# Altium PCB spin5v1_simple.PcbDoc (part 2 of 25)
Units mm, origin at the board's own origin, x right, y up, seen from the top; angles counter-clockwise.
Board outline 220.03 x 233.43 mm, 2 copper layers (TOP, BOTTOM), stack 0.176 mm thick; 1457 components, 4724 nets, 19245 pads, 25289 vias.
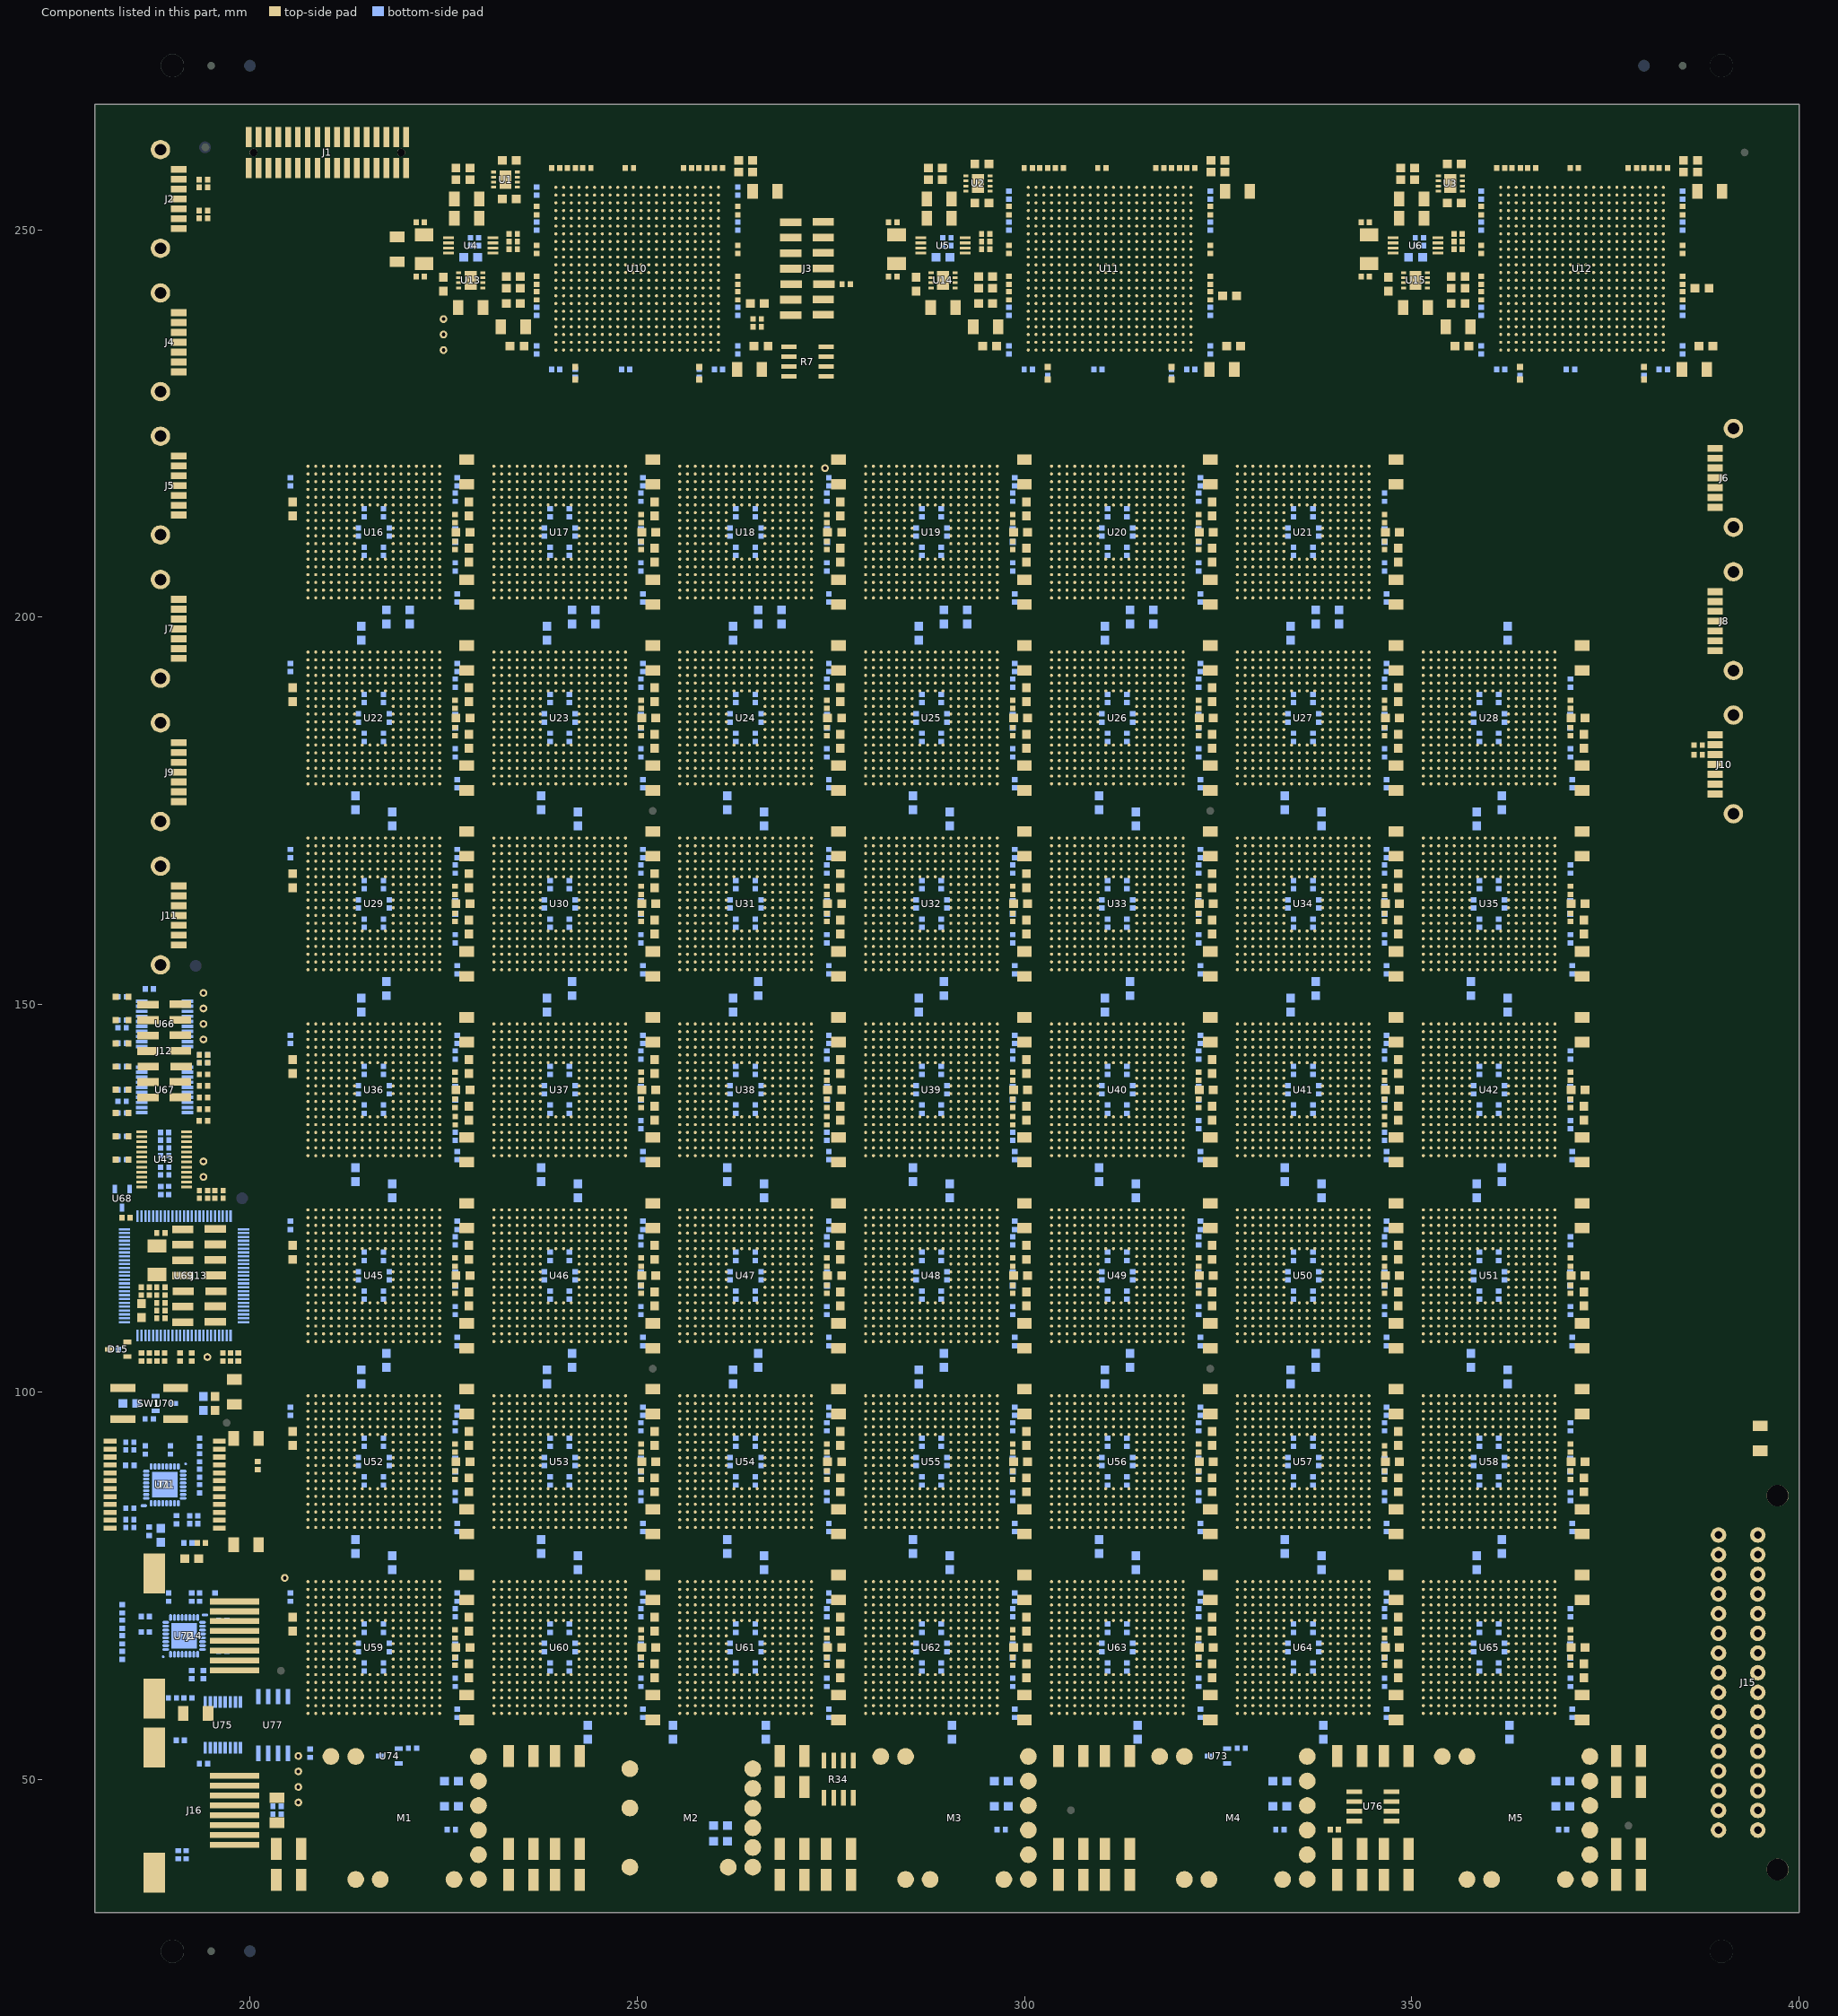
[diagram p2: the components of this part, seen from the top]

## Components (designator, comment, footprint, x,y, rotation, side; value= is the part's Value field where it differs from the comment) (continued)
C947 "CAP_0402" CAP_0402 189.5,73.5 r270 bottom
C948 "CAP_0402_VS" CAP_0402_VS 361.25,69.5 r90 bottom
C949 "CAP_0402_VS" CAP_0402_VS 358.75,69.5 r270 bottom
C950 "CAP_0402_VS" CAP_0402_VS 337.25,69.5 r90 bottom
C951 "CAP_0402_VS" CAP_0402_VS 334.75,69.5 r270 bottom
C952 "CAP_0402_VS" CAP_0402_VS 313.25,69.5 r90 bottom
C953 "CAP_0402_VS" CAP_0402_VS 310.75,69.5 r270 bottom
C954 "CAP_0402_VS" CAP_0402_VS 289.25,69.5 r90 bottom
C955 "CAP_0402_VS" CAP_0402_VS 286.75,69.5 r270 bottom
C956 "CAP_0402_VS" CAP_0402_VS 265.25,69.5 r90 bottom
C957 "CAP_0402_VS" CAP_0402_VS 262.75,69.5 r270 bottom
C958 "CAP_0402_VS" CAP_0402_VS 241.25,69.5 r90 bottom
C959 "CAP_0402_VS" CAP_0402_VS 238.75,69.5 r270 bottom
C960 "CAP_0402_VS" CAP_0402_VS 217.25,69.5 r90 bottom
C961 "CAP_0402_VS" CAP_0402_VS 214.75,69.5 r270 bottom
C962 "CAP_0402" CAP_0402 186.5,69 r0 bottom
C963 "CAP_0402_VS" CAP_0402_VS 362,67 r270 bottom
C964 "CAP_0402_VS" CAP_0402_VS 358,67 r90 bottom
C965 "CAP_0402_VS" CAP_0402_VS 338,67 r270 bottom
C966 "CAP_0402_VS" CAP_0402_VS 334,67 r90 bottom
C967 "CAP_0402_VS" CAP_0402_VS 314,67 r270 bottom
C968 "CAP_0402_VS" CAP_0402_VS 310,67 r90 bottom
C969 "CAP_0402_VS" CAP_0402_VS 290,67 r270 bottom
C970 "CAP_0402_VS" CAP_0402_VS 286,67 r90 bottom
C971 "CAP_0402_VS" CAP_0402_VS 266,67 r270 bottom
C972 "CAP_0402_VS" CAP_0402_VS 262,67 r90 bottom
C973 "CAP_0402_VS" CAP_0402_VS 242,67 r270 bottom
C974 "CAP_0402_VS" CAP_0402_VS 238,67 r90 bottom
C975 "CAP_0402_VS" CAP_0402_VS 218,67 r270 bottom
C976 "CAP_0402_VS" CAP_0402_VS 214,67 r90 bottom
C977 "CAP_0402_VS" CAP_0402_VS 361.25,64.5 r90 bottom
C978 "CAP_0402_VS" CAP_0402_VS 358.75,64.5 r270 bottom
C979 "CAP_0402_VS" CAP_0402_VS 337.25,64.5 r90 bottom
C980 "CAP_0402_VS" CAP_0402_VS 334.75,64.5 r270 bottom
C981 "CAP_0402_VS" CAP_0402_VS 313.25,64.5 r90 bottom
C982 "CAP_0402_VS" CAP_0402_VS 310.75,64.5 r270 bottom
C983 "CAP_0402_VS" CAP_0402_VS 289.25,64.5 r90 bottom
C984 "CAP_0402_VS" CAP_0402_VS 286.75,64.5 r270 bottom
C985 "CAP_0402_VS" CAP_0402_VS 265.25,64.5 r90 bottom
C986 "CAP_0402_VS" CAP_0402_VS 262.75,64.5 r270 bottom
C987 "CAP_0402_VS" CAP_0402_VS 241.25,64.5 r90 bottom
C988 "CAP_0402_VS" CAP_0402_VS 238.75,64.5 r270 bottom
C989 "CAP_0402_VS" CAP_0402_VS 217.25,64.5 r90 bottom
C990 "CAP_0402_VS" CAP_0402_VS 214.75,64.5 r270 bottom
C991 "CAP_0402" CAP_0402 194,63.5 r90 bottom
C993 "CAP_0402_VS" CAP_0402_VS 370.75,58.5 r270 bottom
C994 "CAP_0402_VS" CAP_0402_VS 346.75,58.5 r270 bottom
C995 "CAP_0402_VS" CAP_0402_VS 322.75,58.5 r270 bottom
C996 "CAP_0402_VS" CAP_0402_VS 298.75,58.5 r270 bottom
C997 "CAP_0402_VS" CAP_0402_VS 274.75,58.5 r270 bottom
C998 "CAP_0402_VS" CAP_0402_VS 250.75,58.5 r270 bottom
C999 "CAP_0402_VS" CAP_0402_VS 226.75,58.5 r270 bottom
C1000 "CAP_0603_VL" CAP_0603_VL 362.812,55.525 r90 bottom
C1001 "CAP_0603_VL" CAP_0603_VL 338.812,55.525 r90 bottom
C1002 "CAP_0603_VL" CAP_0603_VL 314.812,55.525 r90 bottom
C1003 "CAP_0603_VL" CAP_0603_VL 290.812,55.525 r90 bottom
C1004 "CAP_0603_VL" CAP_0603_VL 266.812,55.525 r90 bottom
C1005 "CAP_0603_VL" CAP_0603_VL 254.812,55.525 r90 bottom
C1006 "CAP_0603_VL" CAP_0603_VL 243.812,55.525 r90 bottom
C1007 "CAP_0402" CAP_0402 340,43.5 r0 top
C1008 "CAP_0402" CAP_0402 191,55 r0 bottom
C1009 "CAP_0402" CAP_0402 207.781,53.347 r90 bottom
C1011 "CAP_1210VL" CAP_1210VL 205,40.955 r180 top
C1012 "CAP_1210VL" CAP_1210VL 241,53.045 r0 top
C1013 "CAP_1210VL" CAP_1210VL 235,37.045 r0 top
C1014 "CAP_1210VL" CAP_1210VL 241,36.955 r180 top
C1015 "CAP_1210VL" CAP_1210VL 270,49.045 r0 top
C1016 "CAP_1210VL" CAP_1210VL 270,37.045 r0 top
C1017 "CAP_1210VL" CAP_1210VL 276,36.955 r180 top
C1018 "CAP_1210VL" CAP_1210VL 312,53.045 r0 top
C1019 "CAP_1210VL" CAP_1210VL 306,37.045 r0 top
C1020 "CAP_1210VL" CAP_1210VL 312,36.955 r180 top
C1021 "CAP_1210VL" CAP_1210VL 348,53.045 r0 top
C1022 "CAP_1210VL" CAP_1210VL 342,37.045 r0 top
C1023 "CAP_1210VL" CAP_1210VL 348,36.955 r180 top
C1024 "CAP_1210VL" CAP_1210VL 378,49.045 r0 top
C1025 "CAP_1210VL" CAP_1210VL 378,37.045 r0 top
D1 "LED_0603" 0603_LED 242,231.728 r270 top
D2 "LED_0603" 0603_LED 258,231.728 r270 top
D3 "LED_0603" 0603_LED 303,231.728 r270 top
D4 "LED_0603" 0603_LED 319,231.728 r270 top
D5 "LED_0603" 0603_LED 364,231.728 r270 top
D6 "LED_0603" 0603_LED 380,231.728 r270 top
D7 "LED_0603" 0603_LED 183.272,151 r0 top
D8 "LED_0603" 0603_LED 183.272,148 r0 top
D9 "LED_0603" 0603_LED 183.272,145 r0 top
D10 "LED_0603" 0603_LED 183.272,142 r0 top
D11 "LED_0603" 0603_LED 183.272,139 r0 top
D12 "LED_0603" 0603_LED 183.272,136 r0 top
D13 "LED_0603" 0603_LED 183.272,133 r0 top
D14 "LED_0603" 0603_LED 183.272,130 r0 top
D15 "DIODE_SM" SOT23#1 183,105.268 r180 top
D16 "LED_0603" 0603_LED 346.5,210.772 r270 bottom
D17 "LED_0603" 0603_LED 322.5,210.772 r270 bottom
D18 "LED_0603" 0603_LED 298.5,210.772 r270 bottom
D19 "LED_0603" 0603_LED 274.5,210.772 r270 bottom
D20 "LED_0603" 0603_LED 250.5,210.772 r270 bottom
D21 "LED_0603" 0603_LED 226.5,210.772 r270 bottom
D22 "LED_0603" 0603_LED 370.5,186.772 r270 bottom
D23 "LED_0603" 0603_LED 346.5,186.772 r270 bottom
D24 "LED_0603" 0603_LED 322.5,186.772 r270 bottom
D25 "LED_0603" 0603_LED 298.5,186.772 r270 bottom
D26 "LED_0603" 0603_LED 274.5,186.772 r270 bottom
D27 "LED_0603" 0603_LED 250.5,186.772 r270 bottom
D28 "LED_0603" 0603_LED 226.5,186.772 r270 bottom
D29 "LED_0603" 0603_LED 370.5,162.772 r270 bottom
D30 "LED_0603" 0603_LED 346.5,162.772 r270 bottom
D31 "LED_0603" 0603_LED 322.5,162.772 r270 bottom
D32 "LED_0603" 0603_LED 298.5,162.772 r270 bottom
D33 "LED_0603" 0603_LED 274.5,162.772 r270 bottom
D34 "LED_0603" 0603_LED 250.5,162.772 r270 bottom
D35 "LED_0603" 0603_LED 226.5,162.772 r270 bottom
D36 "LED_0603" 0603_LED 370.5,138.772 r270 bottom
D37 "LED_0603" 0603_LED 346.5,138.772 r270 bottom
D38 "LED_0603" 0603_LED 322.5,138.772 r270 bottom
D39 "LED_0603" 0603_LED 298.5,138.772 r270 bottom
D40 "LED_0603" 0603_LED 274.5,138.772 r270 bottom
D41 "LED_0603" 0603_LED 250.5,138.772 r270 bottom
D42 "LED_0603" 0603_LED 226.5,138.772 r270 bottom
D43 "LED_0603" 0603_LED 370.5,114.772 r270 bottom
D44 "LED_0603" 0603_LED 346.5,114.772 r270 bottom
D45 "LED_0603" 0603_LED 322.5,114.772 r270 bottom
D46 "LED_0603" 0603_LED 298.5,114.772 r270 bottom
D47 "LED_0603" 0603_LED 274.5,114.772 r270 bottom
D48 "LED_0603" 0603_LED 250.5,114.772 r270 bottom
D49 "LED_0603" 0603_LED 226.5,114.772 r270 bottom
D50 "LED_0603" 0603_LED 370.5,90.772 r270 bottom
D51 "LED_0603" 0603_LED 346.5,90.772 r270 bottom
D52 "LED_0603" 0603_LED 322.5,90.772 r270 bottom
D53 "LED_0603" 0603_LED 298.5,90.772 r270 bottom
D54 "LED_0603" 0603_LED 274.5,90.772 r270 bottom
D55 "LED_0603" 0603_LED 250.5,90.772 r270 bottom
D56 "LED_0603" 0603_LED 226.5,90.772 r270 bottom
D57 "LED_0603" 0603_LED 370.5,66.772 r270 bottom
D58 "LED_0603" 0603_LED 346.5,66.772 r270 bottom
D59 "LED_0603" 0603_LED 322.5,66.772 r270 bottom
D60 "LED_0603" 0603_LED 298.5,66.772 r270 bottom
D61 "LED_0603" 0603_LED 274.5,66.772 r270 bottom
D62 "LED_0603" 0603_LED 250.5,66.772 r270 bottom
D63 "LED_0603" 0603_LED 226.5,66.772 r270 bottom
Designator1 "CAP_1206" CAP_1206 350,251.49 r180 top
Designator1 "CAP_1206" CAP_1206 388.5,255.01 r0 top
Designator1 "CAP_1206" CAP_1206 386.5,232.01 r0 top
Designator1 "CAP_1206" CAP_1206 356,237.49 r180 top
Designator1 "CAP_1206" CAP_1206 350,253.99 r180 top
Designator1 "CAP_1206" CAP_1206 350.5,239.99 r180 top
Designator1 "CAP_1206" CAP_1206 264.5,232.01 r0 top
Designator1 "CAP_1206" CAP_1206 234,237.49 r180 top
Designator1 "CAP_1206" CAP_1206 266.5,255.01 r0 top
Designator1 "CAP_1206" CAP_1206 228,253.99 r180 top
Designator1 "CAP_1206" CAP_1206 228.5,239.99 r180 top
Designator1 "CAP_1206" CAP_1206 228,251.49 r180 top
Designator1 "CAP_1206" CAP_1206 289.5,239.99 r180 top
Designator1 "CAP_1206" CAP_1206 289,251.49 r180 top
Designator1 "CAP_1206" CAP_1206 325.5,232.01 r0 top
Designator1 "CAP_1206" CAP_1206 295,237.49 r180 top
Designator1 "CAP_1206" CAP_1206 327.5,255.01 r0 top
Designator1 "CAP_1206" CAP_1206 289,253.99 r180 top
Designator1 "CAP_1206" CAP_1206 199.5,80.26 r0 top
Designator1 "CAP_1206" CAP_1206 199.5,94.01 r0 top
Designator1 "CAP_1206" CAP_1206 203.51,46 r270 top
Designator1 "CAP_1206" CAP_1206 193,58.49 r180 top
FB1 "FB_0603" FB_0603 227.5,211 r180 top
FB2 "FB_0603" FB_0603 251.5,211 r180 top
FB3 "FB_0603" FB_0603 275.5,211 r180 top
FB4 "FB_0603" FB_0603 299.5,211 r180 top
FB5 "FB_0603" FB_0603 323.5,211 r180 top
FB6 "FB_0603" FB_0603 347.5,211 r180 top
FB7 "FB_0603" FB_0603 227.5,187 r180 top
FB8 "FB_0603" FB_0603 251.5,187 r180 top
FB9 "FB_0603" FB_0603 275.5,187 r180 top
FB10 "FB_0603" FB_0603 299.5,187 r180 top
FB11 "FB_0603" FB_0603 323.5,187 r180 top
FB12 "FB_0603" FB_0603 347.5,187 r180 top
FB13 "FB_0603" FB_0603 371.5,187 r180 top
FB14 "FB_0603" FB_0603 227.5,163 r180 top
FB15 "FB_0603" FB_0603 251.5,163 r180 top
FB16 "FB_0603" FB_0603 275.5,163 r180 top
FB17 "FB_0603" FB_0603 299.5,163 r180 top
FB18 "FB_0603" FB_0603 323.5,163 r180 top
FB19 "FB_0603" FB_0603 347.5,163 r180 top
FB20 "FB_0603" FB_0603 371.5,163 r180 top
FB21 "FB_0603" FB_0603 227.5,139 r180 top
FB22 "FB_0603" FB_0603 251.5,139 r180 top
FB23 "FB_0603" FB_0603 275.5,139 r180 top
FB24 "FB_0603" FB_0603 299.5,139 r180 top
FB25 "FB_0603" FB_0603 323.5,139 r180 top
FB26 "FB_0603" FB_0603 347.5,139 r180 top
FB27 "FB_0603" FB_0603 371.5,139 r180 top
FB28 "FB_0603" FB_0603 227.5,115 r180 top
FB29 "FB_0603" FB_0603 251.5,115 r180 top
FB30 "FB_0603" FB_0603 275.5,115 r180 top
FB31 "FB_0603" FB_0603 299.5,115 r180 top
FB32 "FB_0603" FB_0603 323.5,115 r180 top
FB33 "FB_0603" FB_0603 347.5,115 r180 top
FB34 "FB_0603" FB_0603 371.5,115 r180 top
FB35 "FB_0603" FB_0603 186,110.5 r90 top
FB36 "FB_0603" FB_0603 227.5,91 r180 top
FB37 "FB_0603" FB_0603 251.5,91 r180 top
FB38 "FB_0603" FB_0603 275.5,91 r180 top
FB39 "FB_0603" FB_0603 299.5,91 r180 top
FB40 "FB_0603" FB_0603 323.5,91 r180 top
FB41 "FB_0603" FB_0603 347.5,91 r180 top
FB42 "FB_0603" FB_0603 371.5,91 r180 top
FB43 "FB_0603" FB_0603 227.5,67 r180 top
FB44 "FB_0603" FB_0603 251.5,67 r180 top
FB45 "FB_0603" FB_0603 275.5,67 r180 top
FB46 "FB_0603" FB_0603 299.5,67 r180 top
FB47 "FB_0603" FB_0603 323.5,67 r180 top
FB48 "FB_0603" FB_0603 347.5,67 r180 top
FB49 "FB_0603" FB_0603 371.5,67 r180 top
J1 "C42_34_SM" C42_34_SM 210.25,260 r270 top
J2 "SATA_PLUG" SATA_PLUG 186,254.5 r180 top
J3 "14_WAY_HEADER_SM" HEADER2MM_SM 271.982,245 r180 top
J4 "SATA_PLUG" SATA_PLUG 186,236 r180 top
J5 "SATA_PLUG" SATA_PLUG 186,217.5 r180 top
J6 "SATA_PLUG" SATA_PLUG 394,217.5 r0 top
J7 "SATA_PLUG" SATA_PLUG 186,199 r180 top
J8 "SATA_PLUG" SATA_PLUG 394,199 r0 top
J9 "SATA_PLUG" SATA_PLUG 186,180.5 r180 top
J10 "SATA_PLUG" SATA_PLUG 394,180.5 r0 top
J11 "SATA_PLUG" SATA_PLUG 186,162 r180 top
J12 "14WAYHEADERSM" HEADER2MM_SM 188.982,144 r180 top
J13 "14WAYHEADERSM" HEADER2MM_SM 193.482,115 r180 top
J14 "RJ45_SMT" RJ45_SMT 190.69,68.5 r270 top
J15 "DIN41612" DIN41612_32 393.01,62.48 r0 top
J16 "RJ45_SMT" RJ45_SMT 190.69,46 r270 top
M1 "PTH08T221W" R_PDSS_B11_E 220,45 r0 top
M2 "PTH08T230W" R_PDSS_B10_E 257,45 r0 top
M3 "PTH08T221W" R_PDSS_B11_E 291,45 r0 top
M4 "PTH08T221W" R_PDSS_B11_E 327,45 r0 top
M5 "PTH08T221W" R_PDSS_B11_E 363.5,45 r0 top
R1 "RES_0402" RES_0402 249,258 r0 top
R2 "RES_0402" RES_0402 310,258 r0 top
R3 "RES_0402" RES_0402 371,258 r0 top
R4 "RES_0402" RES_0402 277,243 r180 top
R5 "RES_0402" RES_0402 265.5,238.5 r0 top
R6 "RES_0402" RES_0402 265.5,237.5 r0 top
R7 "LM75B" SOIC8 272.056,232.794 r180 top
R8 "RES_0402" RES_0402 194,143.5 r180 top
R9 "RES_0402" RES_0402 194,142.5 r180 top
R10 "RES_0402" RES_0402 194,141 r0 top
R11 "RES_0402" RES_0402 194,139.5 r0 top
R12 "RES_0402" RES_0402 194,138 r0 top
R13 "RES_0402" RES_0402 194,136.5 r180 top
R14 "RES_0402" RES_0402 226.5,135 r270 top
R15 "RES_0402" RES_0402 274.5,135 r270 top
R16 "RES_0402" RES_0402 298.5,135 r270 top
R17 "RES_0402" RES_0402 346.5,135 r270 top
R18 "RES_0402" RES_0402 194,126 r180 top
R19 "RES_0402" RES_0402 196,126 r0 top
R20 "RES_0402" RES_0402 194,125 r180 top
R21 "RES_0402" RES_0402 196,125 r0 top
R22 "RES_0402" RES_0402 186.5,112.5 r180 top
R23 "RES_0402" RES_0402 188.5,112.5 r180 top
R24 "RES_0402" RES_0402 188.5,109.5 r0 top
R25 "RES_0402" RES_0402 186,104.5 r90 top
R26 "RES_0402" RES_0402 187,104.5 r270 top
R27 "RES_0402" RES_0402 188,104.5 r270 top
R28 "RES_0402" RES_0402 189,104.5 r90 top
R29 "RES_0402" RES_0402 192.5,104.5 r270 top
R30 "RES_0402" RES_0402 196.5,104.5 r90 top
R31 "RES_0402" RES_0402 197.5,104.5 r90 top
R32 "RES_0402" RES_0402 194,142.5 r180 bottom
R33 "RES_0402" RES_0402 194,143.5 r180 bottom
R34 "LM75B" SOIC8 275.794,49.944 r90 top
R35 "RES_0402" RES_0402 203.5,46.5 r0 bottom
R36 "RES_0402" RES_0402 203.5,45.5 r0 bottom
R37 "RES_0402" RES_0402 351,249 r0 bottom
R38 "RES_0402" RES_0402 290,249 r0 bottom
R39 "RES_0402" RES_0402 229,249 r0 bottom
R40 "RES_0402" RES_0402 380,231.75 r90 bottom
R41 "RES_0402" RES_0402 364,231.75 r90 bottom
R42 "RES_0402" RES_0402 303,231.75 r90 bottom
R43 "RES_0402" RES_0402 319,231.5 r90 bottom
R44 "RES_0402" RES_0402 258,231.5 r270 bottom
R45 "RES_0402" RES_0402 242,231.5 r90 bottom
R46 "RES_0402" RES_0402 346.5,215.5 r270 bottom
R47 "RES_0402" RES_0402 322.5,215.5 r270 bottom
R48 "RES_0402" RES_0402 298.5,215.5 r270 bottom
R49 "RES_0402" RES_0402 274.5,215.5 r270 bottom
R50 "RES_0402" RES_0402 250.5,215.5 r270 bottom
R51 "RES_0402" RES_0402 226.5,215.5 r270 bottom
R52 "RES_0402" RES_0402 346.5,206.5 r270 bottom
R53 "RES_0402" RES_0402 322.5,206.5 r270 bottom
R54 "RES_0402" RES_0402 298.5,206.5 r270 bottom
R55 "RES_0402" RES_0402 274.5,206.5 r270 bottom
R56 "RES_0402" RES_0402 250.5,206.5 r270 bottom
R57 "RES_0402" RES_0402 226.5,206.5 r270 bottom
R58 "RES_0402" RES_0402 370.5,191.5 r270 bottom
R59 "RES_0402" RES_0402 346.5,191.5 r270 bottom
R60 "RES_0402" RES_0402 322.5,191.5 r270 bottom
R61 "RES_0402" RES_0402 298.5,191.5 r270 bottom
R62 "RES_0402" RES_0402 274.5,191.5 r270 bottom
R63 "RES_0402" RES_0402 250.5,191.5 r270 bottom
R64 "RES_0402" RES_0402 226.5,191.5 r270 bottom
R65 "RES_0402" RES_0402 370.5,182.5 r270 bottom
R66 "RES_0402" RES_0402 346.5,182.5 r270 bottom
R67 "RES_0402" RES_0402 322.5,182.5 r270 bottom
R68 "RES_0402" RES_0402 298.5,182.5 r270 bottom
R69 "RES_0402" RES_0402 274.5,182.5 r270 bottom
R70 "RES_0402" RES_0402 250.5,182.5 r270 bottom
R71 "RES_0402" RES_0402 226.5,182.5 r270 bottom
R72 "RES_0402" RES_0402 370.5,167.5 r270 bottom
R73 "RES_0402" RES_0402 346.5,167.5 r270 bottom
R74 "RES_0402" RES_0402 322.5,167.5 r270 bottom
R75 "RES_0402" RES_0402 298.5,167.5 r270 bottom
R76 "RES_0402" RES_0402 274.5,167.5 r270 bottom
R77 "RES_0402" RES_0402 250.5,167.5 r270 bottom
R78 "RES_0402" RES_0402 226.5,167.5 r270 bottom
R79 "RES_0402" RES_0402 370.5,158.5 r270 bottom
R80 "RES_0402" RES_0402 346.5,158.5 r270 bottom
R81 "RES_0402" RES_0402 322.5,158.5 r270 bottom
R82 "RES_0402" RES_0402 298.5,158.5 r270 bottom
R83 "RES_0402" RES_0402 274.5,158.5 r270 bottom
R84 "RES_0402" RES_0402 250.5,158.5 r270 bottom
R85 "RES_0402" RES_0402 226.5,158.5 r270 bottom
R86 "RES_0402" RES_0402 183.5,151 r0 bottom
R87 "RES_0402" RES_0402 183.5,148 r0 bottom
R88 "RES_0402" RES_0402 183.5,147 r0 bottom
R89 "RES_0402" RES_0402 183.5,145 r0 bottom
R90 "RES_0402" RES_0402 370.5,143.5 r270 bottom
R91 "RES_0402" RES_0402 346.5,143.5 r270 bottom
R92 "RES_0402" RES_0402 322.5,143.5 r270 bottom
R93 "RES_0402" RES_0402 298.5,143.5 r270 bottom
R94 "RES_0402" RES_0402 274.5,143.5 r270 bottom
R95 "RES_0402" RES_0402 250.5,143.5 r270 bottom
R96 "RES_0402" RES_0402 226.5,143.5 r270 bottom
R97 "RES_0402" RES_0402 183.5,142 r0 bottom
R98 "RES_0402" RES_0402 183.5,139 r0 bottom
R99 "RES_0402" RES_0402 183.5,137.5 r0 bottom
R100 "RES_0402" RES_0402 183.5,136 r0 bottom
R101 "RES_0402" RES_0402 370.5,134.5 r270 bottom
R102 "RES_0402" RES_0402 322.5,134.5 r270 bottom
R103 "RES_0402" RES_0402 250.5,134.5 r270 bottom
R104 "RES_0402" RES_0402 346.5,133 r270 bottom
R105 "RES_0402" RES_0402 298.5,133 r270 bottom
R106 "RES_0402" RES_0402 274.5,133 r270 bottom
R107 "RES_0402" RES_0402 226.5,133 r270 bottom
R108 "RES_0402" RES_0402 183.5,133 r0 bottom
R109 "RES_0402" RES_0402 189,132.5 r180 bottom
R110 "RES_0402" RES_0402 189,131.5 r180 bottom
R111 "RES_0402" RES_0402 189,130.5 r180 bottom
R112 "RES_0402" RES_0402 183.5,130 r0 bottom
R113 "RES_0402" RES_0402 189,129 r180 bottom
R114 "RES_0402" RES_0402 189,128 r180 bottom
R115 "RES_0402" RES_0402 189.5,126 r90 bottom
R116 "RES_0402" RES_0402 370.5,119.5 r270 bottom
R117 "RES_0402" RES_0402 346.5,119.5 r270 bottom
R118 "RES_0402" RES_0402 322.5,119.5 r270 bottom
R119 "RES_0402" RES_0402 298.5,119.5 r270 bottom
R120 "RES_0402" RES_0402 274.5,119.5 r270 bottom
R121 "RES_0402" RES_0402 250.5,119.5 r270 bottom
R122 "RES_0402" RES_0402 226.5,119.5 r270 bottom
R123 "RES_0402" RES_0402 370.5,110.5 r270 bottom
R124 "RES_0402" RES_0402 346.5,110.5 r270 bottom
R125 "RES_0402" RES_0402 322.5,110.5 r270 bottom
R126 "RES_0402" RES_0402 298.5,110.5 r270 bottom
R127 "RES_0402" RES_0402 274.5,110.5 r270 bottom
R128 "RES_0402" RES_0402 250.5,110.5 r270 bottom
R129 "RES_0402" RES_0402 226.5,110.5 r270 bottom
R130 "RES_0402" RES_0402 182.5,105.5 r180 bottom
R131 "RES_0402" RES_0402 198.5,104.5 r90 bottom
R132 "RES_0402" RES_0402 187,96.5 r0 bottom
R133 "RES_0402" RES_0402 370.5,95.5 r270 bottom
R134 "RES_0402" RES_0402 346.5,95.5 r270 bottom
R135 "RES_0402" RES_0402 322.5,95.5 r270 bottom
R136 "RES_0402" RES_0402 298.5,95.5 r270 bottom
R137 "RES_0402" RES_0402 274.5,95.5 r270 bottom
R138 "RES_0402" RES_0402 250.5,95.5 r270 bottom
R139 "RES_0402" RES_0402 226.5,95.5 r270 bottom
R140 "RES_0402" RES_0402 193.5,93.5 r90 bottom
R141 "RES_0402" RES_0402 184.5,93.5 r180 bottom
R142 "RES_0402" RES_0402 189.75,92.5 r270 bottom
R143 "RES_0402" RES_0402 186.5,92.5 r90 bottom
R144 "RES_0402" RES_0402 184.5,92.5 r180 bottom
R145 "RES_0402" RES_0402 193.5,91.5 r270 bottom
R146 "RES_0402" RES_0402 201,90.5 r270 bottom
R147 "RES_0402" RES_0402 193.5,89.5 r90 bottom
R148 "RES_0402" RES_0402 193.5,87.5 r270 bottom
R149 "RES_0402" RES_0402 370.5,86.5 r270 bottom
R150 "RES_0402" RES_0402 346.5,86.5 r270 bottom
R151 "RES_0402" RES_0402 322.5,86.5 r270 bottom
R152 "RES_0402" RES_0402 298.5,86.5 r270 bottom
R153 "RES_0402" RES_0402 274.5,86.5 r270 bottom
R154 "RES_0402" RES_0402 250.5,86.5 r270 bottom
R155 "RES_0402" RES_0402 226.5,86.5 r270 bottom
R156 "RES_0402" RES_0402 184.5,85 r180 bottom
R157 "RES_0402" RES_0402 192.75,84 r180 bottom
R158 "RES_0402" RES_0402 184.5,83.5 r180 bottom
R159 "RES_0402" RES_0402 184.5,82.5 r180 bottom
R160 "RES_0402" RES_0402 192,80.5 r180 bottom
R161 "RES_0402" RES_0402 195.5,73.5 r270 bottom
R162 "RES_0402" RES_0402 183.5,72 r90 bottom
R163 "RES_0402" RES_0402 370.5,71.5 r270 bottom
R164 "RES_0402" RES_0402 346.5,71.5 r270 bottom
R165 "RES_0402" RES_0402 322.5,71.5 r270 bottom
R166 "RES_0402" RES_0402 298.5,71.5 r270 bottom
R167 "RES_0402" RES_0402 274.5,71.5 r270 bottom
R168 "RES_0402" RES_0402 250.5,71.5 r270 bottom
R169 "RES_0402" RES_0402 226.5,71.5 r270 bottom
R170 "RES_0402" RES_0402 186.5,71 r0 bottom
R171 "RES_0402" RES_0402 196.5,70.5 r180 bottom
R172 "RES_0402" RES_0402 183.5,70 r270 bottom
R173 "RES_0402" RES_0402 183.5,68 r90 bottom
R174 "RES_0402" RES_0402 196.5,66.5 r0 bottom
R175 "RES_0402" RES_0402 183.5,66 r270 bottom
R176 "RES_0402" RES_0402 192.5,63.5 r270 bottom
R177 "RES_0402" RES_0402 370.5,62.5 r270 bottom
R178 "RES_0402" RES_0402 346.5,62.5 r270 bottom
R179 "RES_0402" RES_0402 322.5,62.5 r270 bottom
R180 "RES_0402" RES_0402 298.5,62.5 r270 bottom
R181 "RES_0402" RES_0402 274.5,62.5 r270 bottom
R182 "RES_0402" RES_0402 250.5,62.5 r270 bottom
R183 "RES_0402" RES_0402 226.5,62.5 r270 bottom
R184 "RES_0402" RES_0402 192,60.5 r0 bottom
R185 "RES_0402" RES_0402 190,60.5 r180 bottom
R186 "RES_0402" RES_0402 328,54 r0 bottom
R187 "RES_0402" RES_0402 221,54 r0 bottom
R188 "RES_0402" RES_0402 194,52 r0 bottom
R189 "RES_0603" RES_0603 369.5,49.75 r180 bottom
R190 "RES_0603" RES_0603 333,49.75 r180 bottom

## Text inside footprints (layer, text, board x,y; h text height)
U37: PIN_NUMBER "J17" at 247.166,139.5 h0.24; PIN_NUMBER "M17" at 247.166,136.5 h0.24; PIN_NUMBER "M18" at 248.166,136.5 h0.24; PIN_NUMBER "J18" at 248.166,139.5 h0.24; PIN_NUMBER "J16" at 246.166,139.5 h0.24; PIN_NUMBER "C17" at 247.166,145.5 h0.24; PIN_NUMBER "C18" at 248.166,145.5 h0.24; PIN_NUMBER "D16" at 246.166,144.5 h0.24; PIN_NUMBER "K15" at 245.166,138.5 h0.24; PIN_NUMBER "K16" at 246.166,138.5 h0.24; PIN_NUMBER "E18" at 248.166,143.5 h0.24; PIN_NUMBER "F16" at 246.166,142.5 h0.24; PIN_NUMBER "M16" at 246.166,136.5 h0.24; PIN_NUMBER "B18" at 248.166,146.5 h0.24; PIN_NUMBER "G16" at 246.166,141.5 h0.24; PIN_NUMBER "P14" at 244.166,134.5 h0.24; PIN_NUMBER "N13" at 243.166,135.5 h0.24; PIN_NUMBER "N14" at 244.166,135.5 h0.24; PIN_NUMBER "M12" at 242.166,136.5 h0.24; PIN_NUMBER "M13" at 243.166,136.5 h0.24; PIN_NUMBER "M14" at 244.166,136.5 h0.24; PIN_NUMBER "H12" at 242.166,140.5 h0.24; PIN_NUMBER "H13" at 243.166,140.5 h0.24; PIN_NUMBER "H14" at 244.166,140.5 h0.24; PIN_NUMBER "E6" at 235.854,143.5 h0.24; PIN_NUMBER "E7" at 236.854,143.5 h0.24; PIN_NUMBER "F7" at 236.854,142.5 h0.24; PIN_NUMBER "E8" at 237.854,143.5 h0.24; PIN_NUMBER "F8" at 237.854,142.5 h0.24; PIN_NUMBER "L5" at 234.854,137.5 h0.24; PIN_NUMBER "L6" at 235.854,137.5 h0.24; PIN_NUMBER "L7" at 236.854,137.5 h0.24; PIN_NUMBER "G7" at 236.854,141.5 h0.24; PIN_NUMBER "G5" at 234.854,141.5 h0.24; PIN_NUMBER "G6" at 235.854,141.5 h0.24; PIN_NUMBER "F5" at 234.854,142.5 h0.24; PIN_NUMBER "F6" at 235.854,142.5 h0.24; PIN_NUMBER "E5" at 234.854,143.5 h0.24; PIN_NUMBER "P11" at 241.166,134.5 h0.24; PIN_NUMBER "N11" at 241.166,135.5 h0.24; PIN_NUMBER "P12" at 242.166,134.5 h0.24; PIN_NUMBER "N12" at 242.166,135.5 h0.24; PIN_NUMBER "P13" at 243.166,134.5 h0.24; PIN_NUMBER "K12" at 242.166,138.5 h0.24; PIN_NUMBER "K13" at 243.166,138.5 h0.24; PIN_NUMBER "K14" at 244.166,138.5 h0.24; PIN_NUMBER "E10" at 239.936,143.5 h0.24; PIN_NUMBER "F10" at 239.936,142.5 h0.24; PIN_NUMBER "J5" at 234.854,139.5 h0.24; PIN_NUMBER "J6" at 235.854,139.5 h0.24; PIN_NUMBER "J7" at 236.854,139.5 h0.24; PIN_NUMBER "N9" at 238.854,135.5 h0.24; PIN_NUMBER "P9" at 238.854,134.5 h0.24; PIN_NUMBER "C16" at 246.166,145.5 h0.24; PIN_NUMBER "G17" at 247.166,141.5 h0.24; PIN_NUMBER "C13" at 243.166,145.5 h0.24; PIN_NUMBER "B13" at 243.166,146.5 h0.24; PIN_NUMBER "A13" at 243.166,147.5 h0.24; PIN_NUMBER "D14" at 244.166,144.5 h0.24; PIN_NUMBER "C14" at 244.166,145.5 h0.24; PIN_NUMBER "B14" at 244.166,146.5 h0.24; PIN_NUMBER "A14" at 244.166,147.5 h0.24; PIN_NUMBER "K17" at 247.166,138.5 h0.24; PIN_NUMBER "K18" at 248.166,138.5 h0.24; PIN_NUMBER "L15" at 245.166,137.5 h0.24; PIN_NUMBER "L16" at 246.166,137.5 h0.24; PIN_NUMBER "A8" at 237.854,147.5 h0.24; PIN_NUMBER "D9" at 238.854,144.5 h0.24; PIN_NUMBER "C11" at 241.166,145.5 h0.24; PIN_NUMBER "B11" at 241.166,146.5 h0.24; PIN_NUMBER "A11" at 241.166,147.5 h0.24; PIN_NUMBER "D10" at 239.936,144.5 h0.24; PIN_NUMBER "C10" at 239.936,145.5 h0.24; PIN_NUMBER "B10" at 239.936,146.5 h0.24; PIN_NUMBER "A10" at 239.936,147.5 h0.24; PIN_NUMBER "C9" at 238.854,145.5 h0.24; PIN_NUMBER "B9" at 238.854,146.5 h0.24; PIN_NUMBER "A9" at 238.854,147.5 h0.24; PIN_NUMBER "D8" at 237.854,144.5 h0.24; PIN_NUMBER "C8" at 237.854,145.5 h0.24; PIN_NUMBER "B8" at 237.854,146.5 h0.24; PIN_NUMBER "D11" at 241.166,144.5 h0.24; PIN_NUMBER "V8" at 237.854,130.5 h0.24; PIN_NUMBER "R9" at 238.854,133.5 h0.24; PIN_NUMBER "T11" at 241.166,132.5 h0.24; PIN_NUMBER "U11" at 241.166,131.5 h0.24; PIN_NUMBER "V11" at 241.166,130.5 h0.24; PIN_NUMBER "R10" at 239.936,133.5 h0.24; PIN_NUMBER "T10" at 239.936,132.5 h0.24; PIN_NUMBER "U10" at 239.936,131.5 h0.24; PIN_NUMBER "V10" at 239.936,130.5 h0.24; PIN_NUMBER "T9" at 238.854,132.5 h0.24; PIN_NUMBER "U9" at 238.854,131.5 h0.24; PIN_NUMBER "V9" at 238.854,130.5 h0.24; PIN_NUMBER "R8" at 237.854,133.5 h0.24; PIN_NUMBER "T8" at 237.854,132.5 h0.24; PIN_NUMBER "U8" at 237.854,131.5 h0.24; PIN_NUMBER "R11" at 241.166,133.5 h0.24; PIN_NUMBER "A3" at 232.854,147.5 h0.24; PIN_NUMBER "D5" at 234.854,144.5 h0.24; PIN_NUMBER "C7" at 236.854,145.5 h0.24; PIN_NUMBER "B7" at 236.854,146.5 h0.24; PIN_NUMBER "A7" at 236.854,147.5 h0.24; PIN_NUMBER "D6" at 235.854,144.5 h0.24; PIN_NUMBER "C6" at 235.854,145.5 h0.24; PIN_NUMBER "B6" at 235.854,146.5 h0.24; PIN_NUMBER "A6" at 235.854,147.5 h0.24; PIN_NUMBER "C5" at 234.854,145.5 h0.24; PIN_NUMBER "B5" at 234.854,146.5 h0.24; PIN_NUMBER "A5" at 234.854,147.5 h0.24; PIN_NUMBER "C4" at 233.854,145.5 h0.24; PIN_NUMBER "B4" at 233.854,146.5 h0.24; PIN_NUMBER "A4" at 233.854,147.5 h0.24; PIN_NUMBER "D7" at 236.854,144.5 h0.24; PIN_NUMBER "R17" at 247.166,133.5 h0.24; PIN_NUMBER "V18" at 248.166,130.5 h0.24; PIN_NUMBER "P18" at 248.166,134.5 h0.24; PIN_NUMBER "P17" at 247.166,134.5 h0.24; PIN_NUMBER "P16" at 246.166,134.5 h0.24; PIN_NUMBER "N18" at 248.166,135.5 h0.24; PIN_NUMBER "N17" at 247.166,135.5 h0.24; PIN_NUMBER "N16" at 246.166,135.5 h0.24; PIN_NUMBER "N15" at 245.166,135.5 h0.24; PIN_NUMBER "U18" at 248.166,131.5 h0.24; PIN_NUMBER "U17" at 247.166,131.5 h0.24; PIN_NUMBER "T18" at 248.166,132.5 h0.24; PIN_NUMBER "T17" at 247.166,132.5 h0.24; PIN_NUMBER "T16" at 246.166,132.5 h0.24; PIN_NUMBER "R18" at 248.166,133.5 h0.24; PIN_NUMBER "R16" at 246.166,133.5 h0.24; PIN_NUMBER "V12" at 242.166,130.5 h0.24; PIN_NUMBER "R13" at 243.166,133.5 h0.24; PIN_NUMBER "T15" at 245.166,132.5 h0.24; PIN_NUMBER "U15" at 245.166,131.5 h0.24; PIN_NUMBER "V15" at 245.166,130.5 h0.24; PIN_NUMBER "R14" at 244.166,133.5 h0.24; PIN_NUMBER "T14" at 244.166,132.5 h0.24; PIN_NUMBER "U14" at 244.166,131.5 h0.24; PIN_NUMBER "V14" at 244.166,130.5 h0.24; PIN_NUMBER "T13" at 243.166,132.5 h0.24; PIN_NUMBER "U13" at 243.166,131.5 h0.24; PIN_NUMBER "V13" at 243.166,130.5 h0.24; PIN_NUMBER "R12" at 242.166,133.5 h0.24; PIN_NUMBER "T12" at 242.166,132.5 h0.24; PIN_NUMBER "U12" at 242.166,131.5 h0.24; PIN_NUMBER "V16" at 246.166,130.5 h0.24; PIN_NUMBER "V6" at 235.854,130.5 h0.24; PIN_NUMBER "R7" at 236.854,133.5 h0.24; PIN_NUMBER "T5" at 234.854,132.5 h0.24; PIN_NUMBER "U5" at 234.854,131.5 h0.24; PIN_NUMBER "V5" at 234.854,130.5 h0.24; PIN_NUMBER "T4" at 233.854,132.5 h0.24; PIN_NUMBER "U4" at 233.854,131.5 h0.24; PIN_NUMBER "V4" at 233.854,130.5 h0.24; PIN_NUMBER "V3" at 232.854,130.5 h0.24; PIN_NUMBER "T7" at 236.854,132.5 h0.24; PIN_NUMBER "U7" at 236.854,131.5 h0.24; PIN_NUMBER "V7" at 236.854,130.5 h0.24; PIN_NUMBER "R6" at 235.854,133.5 h0.24; PIN_NUMBER "T6" at 235.854,132.5 h0.24; PIN_NUMBER "U6" at 235.854,131.5 h0.24; PIN_NUMBER "R5" at 234.854,133.5 h0.24; PIN_NUMBER "C15" at 245.166,145.5 h0.24; PIN_NUMBER "B15" at 245.166,146.5 h0.24; PIN_NUMBER "A15" at 245.166,147.5 h0.24; PIN_NUMBER "B16" at 246.166,146.5 h0.24; PIN_NUMBER "A16" at 246.166,147.5 h0.24; PIN_NUMBER "A17" at 247.166,147.5 h0.24; PIN_NUMBER "A18" at 248.166,147.5 h0.24; PIN_NUMBER "B17" at 247.166,146.5 h0.24; PIN_NUMBER "H16" at 246.166,140.5 h0.24; PIN_NUMBER "H15" at 245.166,140.5 h0.24; PIN_NUMBER "B12" at 242.166,146.5 h0.24; PIN_NUMBER "C12" at 242.166,145.5 h0.24; PIN_NUMBER "A12" at 242.166,147.5 h0.24; PIN_NUMBER "D13" at 243.166,144.5 h0.24; PIN_NUMBER "F17" at 247.166,142.5 h0.24; PIN_NUMBER "F18" at 248.166,142.5 h0.24; PIN_NUMBER "D17" at 247.166,144.5 h0.24; PIN_NUMBER "D18" at 248.166,144.5 h0.24; PIN_NUMBER "E16" at 246.166,143.5 h0.24; PIN_NUMBER "E17" at 247.166,143.5 h0.24; PIN_NUMBER "L13" at 243.166,137.5 h0.24; PIN_NUMBER "L14" at 244.166,137.5 h0.24; PIN_NUMBER "L17" at 247.166,137.5 h0.24; PIN_NUMBER "L18" at 248.166,137.5 h0.24; PIN_NUMBER "J12" at 242.166,139.5 h0.24; PIN_NUMBER "J13" at 243.166,139.5 h0.24; PIN_NUMBER "J14" at 244.166,139.5 h0.24; PIN_NUMBER "H17" at 247.166,140.5 h0.24; PIN_NUMBER "H18" at 248.166,140.5 h0.24; PIN_NUMBER "G12" at 242.166,141.5 h0.24; PIN_NUMBER "G13" at 243.166,141.5 h0.24; PIN_NUMBER "G14" at 244.166,141.5 h0.24; PIN_NUMBER "F13" at 243.166,142.5 h0.24; PIN_NUMBER "F14" at 244.166,142.5 h0.24; PIN_NUMBER "E14" at 244.166,143.5 h0.24; PIN_NUMBER "E9" at 238.854,143.5 h0.24; PIN_NUMBER "F9" at 238.854,142.5 h0.24; PIN_NUMBER "F11" at 241.166,142.5 h0.24; PIN_NUMBER "E11" at 241.166,143.5 h0.24; PIN_NUMBER "F12" at 242.166,142.5 h0.24; PIN_NUMBER "E12" at 242.166,143.5 h0.24; PIN_NUMBER "E13" at 243.166,143.5 h0.24; PIN_NUMBER "P5" at 234.854,134.5 h0.24; PIN_NUMBER "N6" at 235.854,135.5 h0.24; PIN_NUMBER "N5" at 234.854,135.5 h0.24; PIN_NUMBER "M5" at 234.854,136.5 h0.24; PIN_NUMBER "M6" at 235.854,136.5 h0.24; PIN_NUMBER "M7" at 236.854,136.5 h0.24; PIN_NUMBER "K5" at 234.854,138.5 h0.24; PIN_NUMBER "K6" at 235.854,138.5 h0.24; PIN_NUMBER "K7" at 236.854,138.5 h0.24; PIN_NUMBER "H5" at 234.854,140.5 h0.24; PIN_NUMBER "H6" at 235.854,140.5 h0.24; PIN_NUMBER "H7" at 236.854,140.5 h0.24; PIN_NUMBER "P6" at 235.854,134.5 h0.24; PIN_NUMBER "N7" at 236.854,135.5 h0.24; PIN_NUMBER "P7" at 236.854,134.5 h0.24; PIN_NUMBER "N8" at 237.854,135.5 h0.24; PIN_NUMBER "P8" at 237.854,134.5 h0.24; PIN_NUMBER "P10" at 239.936,134.5 h0.24; PIN_NUMBER "N10" at 239.936,135.5 h0.24; PIN_NUMBER "L12" at 242.166,137.5 h0.24; PIN_NUMBER "D12" at 242.166,144.5 h0.24; PIN_NUMBER "G15" at 245.166,141.5 h0.24; PIN_NUMBER "M15" at 245.166,136.5 h0.24; PIN_NUMBER "G18" at 248.166,141.5 h0.24; PIN_NUMBER "R15" at 245.166,133.5 h0.24; PIN_NUMBER "P15" at 245.166,134.5 h0.24; PIN_NUMBER "J15" at 245.166,139.5 h0.24; PIN_NUMBER "F15" at 245.166,142.5 h0.24; PIN_NUMBER "E15" at 245.166,143.5 h0.24; PIN_NUMBER "D15" at 245.166,144.5 h0.24; PIN_NUMBER "V17" at 247.166,130.5 h0.24; PIN_NUMBER "U16" at 246.166,131.5 h0.24; PIN_NUMBER "M3" at 232.854,136.5 h0.24; PIN_NUMBER "M1" at 230.624,136.5 h0.24; PIN_NUMBER "R4" at 233.854,133.5 h0.24; PIN_NUMBER "N2" at 231.854,135.5 h0.24; PIN_NUMBER "F3" at 232.854,142.5 h0.24; PIN_NUMBER "D1" at 230.624,144.5 h0.24; PIN_NUMBER "D4" at 233.854,144.5 h0.24; PIN_NUMBER "D3" at 232.854,144.5 h0.24; PIN_NUMBER "C3" at 232.854,145.5 h0.24; PIN_NUMBER "C2" at 231.854,145.5 h0.24; PIN_NUMBER "C1" at 230.624,145.5 h0.24; PIN_NUMBER "B3" at 232.854,146.5 h0.24; PIN_NUMBER "B2" at 231.854,146.5 h0.24; PIN_NUMBER "V2" at 231.854,130.5 h0.24; PIN_NUMBER "V1" at 230.624,130.5 h0.24; PIN_NUMBER "B1" at 230.624,146.5 h0.24; PIN_NUMBER "U3" at 232.854,131.5 h0.24; PIN_NUMBER "U2" at 231.854,131.5 h0.24; PIN_NUMBER "U1" at 230.624,131.5 h0.24; PIN_NUMBER "T3" at 232.854,132.5 h0.24; PIN_NUMBER "T2" at 231.854,132.5 h0.24; PIN_NUMBER "T1" at 230.624,132.5 h0.24; PIN_NUMBER "R2" at 231.854,133.5 h0.24; PIN_NUMBER "R1" at 230.624,133.5 h0.24; PIN_NUMBER "P4" at 233.854,134.5 h0.24; PIN_NUMBER "P3" at 232.854,134.5 h0.24; PIN_NUMBER "A2" at 231.854,147.5 h0.24; PIN_NUMBER "P2" at 231.854,134.5 h0.24; PIN_NUMBER "P1" at 230.624,134.5 h0.24; PIN_NUMBER "N4" at 233.854,135.5 h0.24; PIN_NUMBER "N3" at 232.854,135.5 h0.24; PIN_NUMBER "F2" at 231.854,142.5 h0.24; PIN_NUMBER "F1" at 230.624,142.5 h0.24; PIN_NUMBER "E4" at 233.854,143.5 h0.24; PIN_NUMBER "E3" at 232.854,143.5 h0.24; PIN_NUMBER "E2" at 231.854,143.5 h0.24; PIN_NUMBER "E1" at 230.624,143.5 h0.24; PIN_NUMBER "A1" at 230.624,147.5 h0.24; PIN_NUMBER "R3" at 232.854,133.5 h0.24; PIN_NUMBER "N1" at 230.624,135.5 h0.24; PIN_NUMBER "F4" at 233.854,142.5 h0.24; PIN_NUMBER "D2" at 231.854,144.5 h0.24; PIN_NUMBER "J4" at 233.854,139.5 h0.24; PIN_NUMBER "J3" at 232.854,139.5 h0.24; PIN_NUMBER "M4" at 233.854,136.5 h0.24; PIN_NUMBER "J1" at 230.624,139.5 h0.24; PIN_NUMBER "J2" at 231.854,139.5 h0.24; PIN_NUMBER "M2" at 231.854,136.5 h0.24; PIN_NUMBER "G1" at 230.624,141.5 h0.24; PIN_NUMBER "G2" at 231.854,141.5 h0.24; PIN_NUMBER "K4" at 233.854,138.5 h0.24; PIN_NUMBER "H2" at 231.854,140.5 h0.24; PIN_NUMBER "L1" at 230.624,137.5 h0.24; PIN_NUMBER "H1" at 230.624,140.5 h0.24; PIN_NUMBER "L2" at 231.854,137.5 h0.24; PIN_NUMBER "G4" at 233.854,141.5 h0.24; PIN_NUMBER "L3" at 232.854,137.5 h0.24; PIN_NUMBER "G3" at 232.854,141.5 h0.24; PIN_NUMBER "L4" at 233.854,137.5 h0.24; PIN_NUMBER "K1" at 230.624,138.5 h0.24; PIN_NUMBER "H4" at 233.854,140.5 h0.24; PIN_NUMBER "K3" at 232.854,138.5 h0.24; PIN_NUMBER "H3" at 232.854,140.5 h0.24; PIN_NUMBER "K2" at 231.854,138.5 h0.24